# Allegro board FPGA.brd
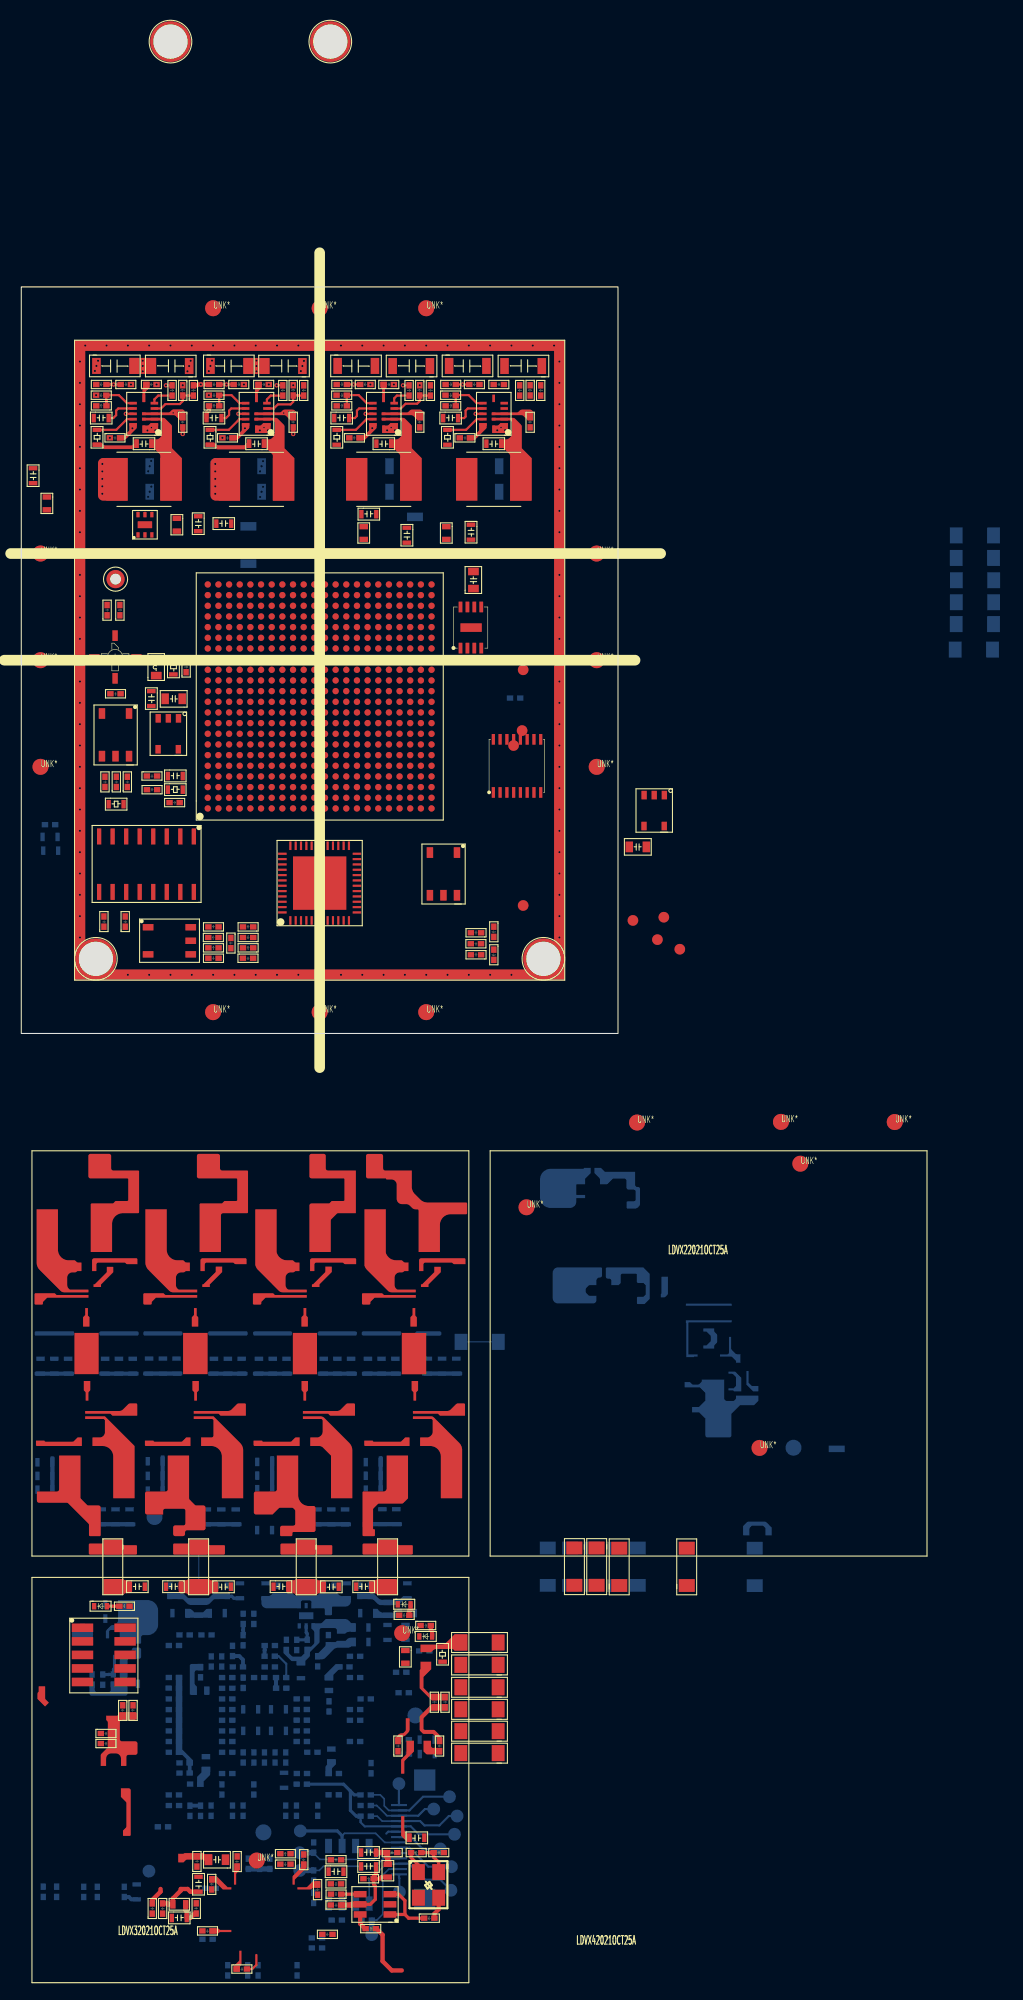
[diagram p0: board, top side]
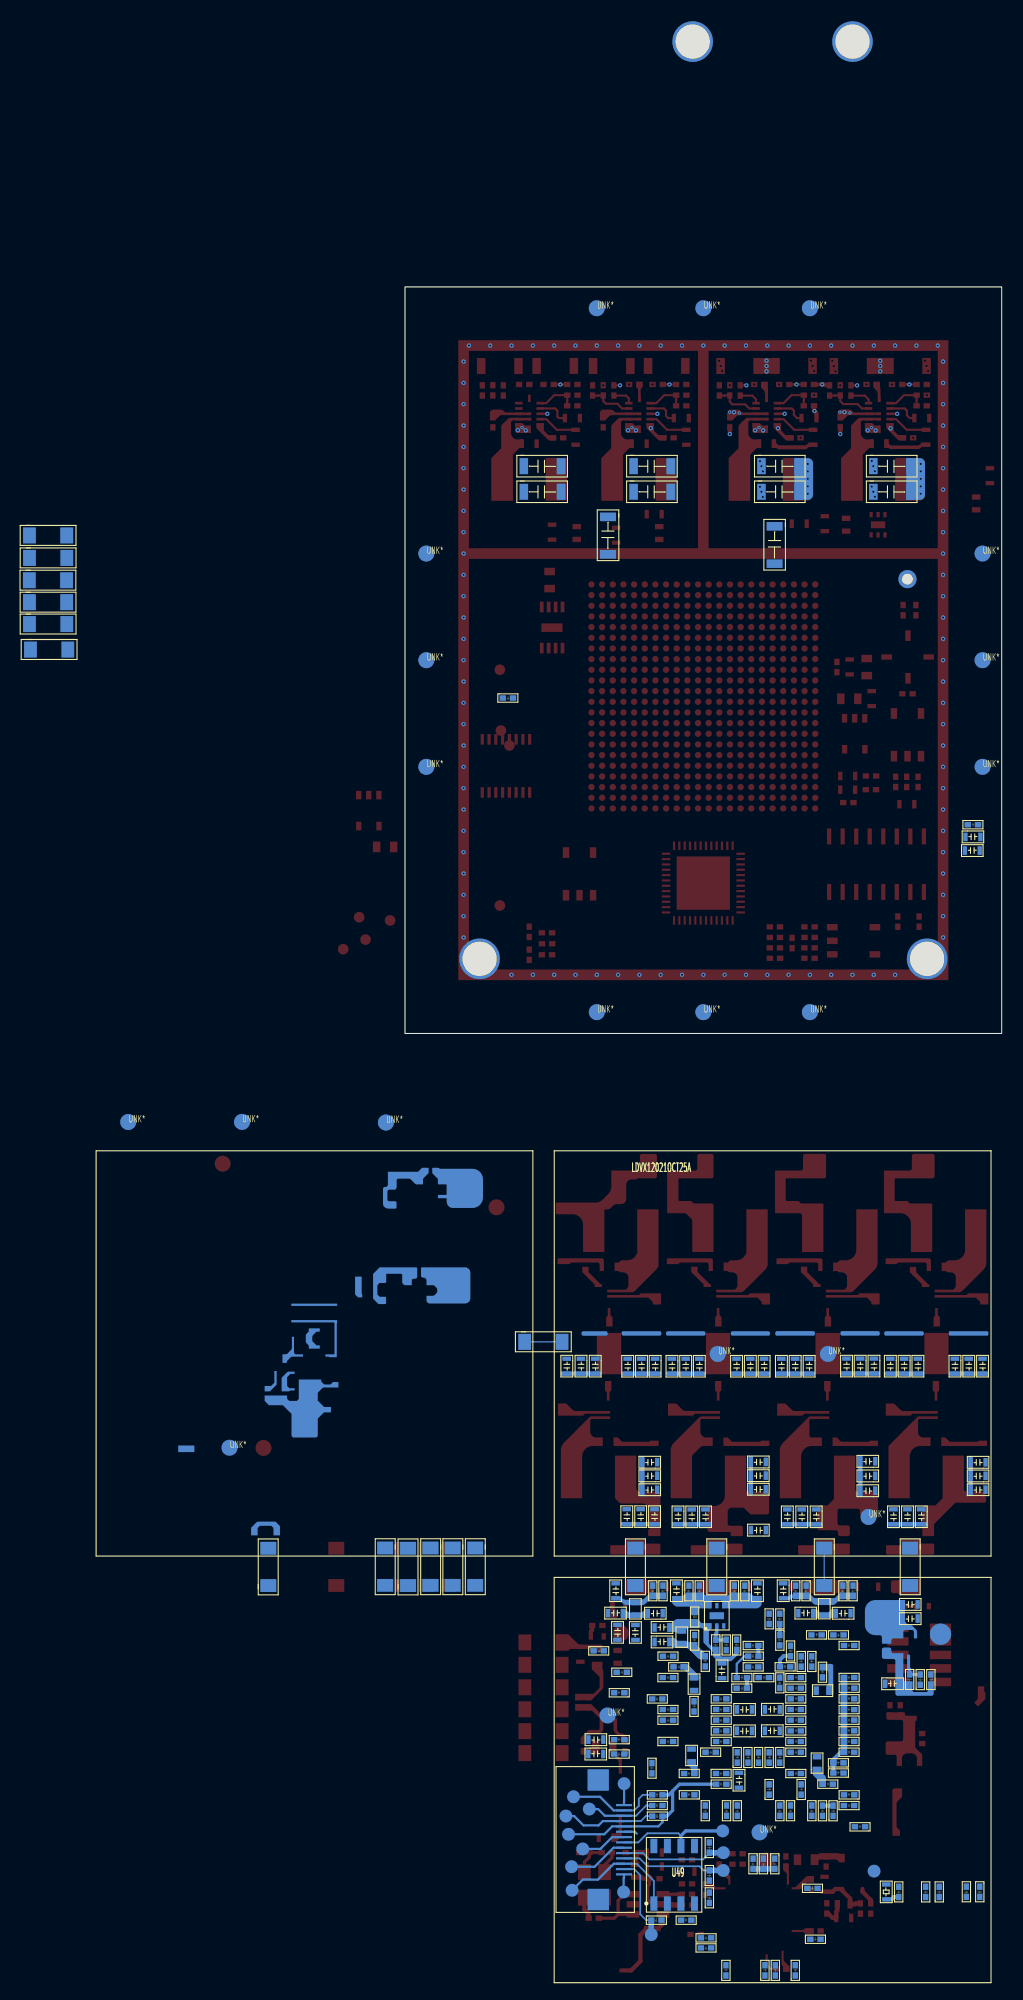
[diagram p1: board, bottom side, seen from below]

Outline 56 x 70 mm; copper layers: TOP, GND-L2, SIGNAL-L3, SIGNAL-L4, GND-L5, PWR-L6, SIGNAL-L7, SIGNAL-L8, GND-L9, BOTTOM. Coordinates in mm from the lower left corner of the outline.
Outline path: rectangle 0,0 56,70

## Design rules (mm)
constraint set DEFAULT: min track width 0.1
net group CLK2FPGA: nets CLK2FPGA N7587007
net group CLKO+: nets CLK_AD+ CLKO+
net group CLKO-: nets CLK_AD- CLKO-
net group CPU_UART3_RXD: nets CPU_UART3_RXD MCU_UART1_TXD
net group CPU_UART3_TXD: nets CPU_UART3_TXD MCU_UART1_RXD
net group CPU_UART4_TXD: nets CPU_UART4_TXD CPU_UART4_TXD_X
net group DATA0: nets DATA0 N7454523
net group FPGA_SPI2_CS: nets FPGA_SPI2_CS MCU_SPI2_NSS
net group FPGA_SPI2_MISO: nets FPGA_SPI2_MISO MCU_SPI2_MISO
net group FPGA_SPI2_MOSI: nets FPGA_SPI2_MOSI MCU_SPI2_MOSI
net group FPGA_SPI2_SCLK: nets FPGA_SPI2_SCLK MCU_SPI2_SCK
net group LED1: nets LED1 N7455499
net group LED2: nets LED2 N7455557
net group LED3: nets LED3 N7921484
net group MCU_RST_CPU: nets MCU_RST_CPU NRST_CPU
net group N7578107: nets N7578107 N7578654
net group N7581076: nets N7581076 N7581207
net group N7581083: nets N7581083 N7581229
net group N7586496: nets N7586496 N7586806
net group N7587454: nets N7587454 N7587591
net group N8196950: nets N8196950 N8196956
net group N8197004: nets N8197004 N8197018
net group N8197074: nets N8197074 N8197078
net group N8197176: nets N8197176 N8197194
net group N8197218: nets N8197218 N8197222
net group N8197320: nets N8197320 N8197338
net group N8197362: nets N8197362 N8197366
net group N8197464: nets N8197464 N8197482
net group RSSI: nets N7580738 RSSI
net group ADC_DATA_BUS: nets AD3
net group AIN+: nets AIN+ AIN- N7581273 N7581277 N7581373 N7581387 VCOM
net group AUDIO_OUT: nets AUDIO_OUT N7424382 N7424390 N7424630 N7424654 N7424662
net group CPU_RST_MCU: nets CPU_RST_MCU FPGA_RST_MCU NRST_MCU
net group CPU_UART2_RXD: nets CPU_UART2_RXD ECSPI3_SCLK FPGA_SPI_SCLK
net group CPU_UART2_TXD: nets CPU_UART2_TXD ECSPI3_CS0 FPGA_SPI_CS
net group CPU_UART4_RXD: nets CPU_UART4_RXD CPU_UART4_RXD_X FPGA_UART_TXD
net group ECSPI3_MISO: nets ECSPI3_MISO FPGA_SPI_MISO N7356015
net group ECSPI3_MOSI: nets ECSPI3_MOSI FPGA_SPI_MOSI N7355971
net group ENC+: nets ENC+ ENC- N7587990 N7588005 N7588017
net group MG_I2S: nets I2S_BCK I2S_DATA I2S_LRCK I2S_SCK
net group N7578935: nets N7578935 N7579108 N7579398
net group N7579488: nets N7579488 N7579492 N7579615 N7579629

## Placement (name value [footprint] x y rotation side)
A1  -  [ERA-2SM]  8.8 35.3 270 top
C61  22uF/50V  [C1206]  7.2 61.8 0 top
C62  22uF/50V  [C1206]  15.6 63.37 180 top
C63  22uF/50V  [C1206]  17.9 61.8 0 top
C64  22uF/50V  [C1206]  26.23 63.37 180 top
C65  22uF/50V  [C1206]  29.84 61.8 0 top
C66  22uF/50V  [C1206]  38.2 63.37 180 top
C67  22uF/50V  [C1206]  40.3 61.8 0 top
C68  22uF/50V  [C1206]  48.7 63.37 180 top
C69  15nF  [C0402]  12.7 61.1 180 top
C70  15nF  [C0402]  23.24 61.1 180 top
C71  15nF  [C0402]  34.98 61.1 180 top
C72  15nF  [C0402]  45.3 61.1 180 top
C75  100pF/25V  [C0603]  6.7 57.3 0 top
C76  150pF/25V  [C0603]  17.28 57.3 0 top
C77  100pF/25V  [C0603]  29.27 57.3 0 top
C78  100pF/25V  [C0603]  39.49 57.3 0 top
C79  0.1uF  [C0402]  14.9 57.8 270 top
C80  0.1uF  [C0402]  25.27 57.8 270 top
C81  0.1uF  [C0402]  37.14 57.8 270 top
C82  0.1uF  [C0402]  47.51 57.8 270 top
C84  1uF/10V  [C0402]  8.3 55.6 0 top
C85  1uF/10V  [C0402]  18.86 55.6 0 top
C86  1uF/10V  [C0402]  30.77 55.6 0 top
C87  1uF/10V  [C0402]  41.14 55.6 0 top
C88  0.1uF  [C0603]  12.31 55.7 180 top
C89  0.1uF  [C0603]  22.88 55.7 180 top
C90  0.1uF  [C0603]  34.82 55.7 180 top
C91  0.1uF  [C0603]  45.15 55.7 180 top
C103  22uF/25V  [C1206]  11.9 52.4 180 bottom
C104  22uF/25V  [C1206]  22.4 50 180 bottom
C105  22uF/25V  [C1206]  34.4 50 180 bottom
C106  22uF/25V  [C1206]  44.7 52.4 180 bottom
C115  22uF/25V  [C1206]  11.9 50 180 bottom
C116  0.1uF/25V  [C0603]  18.2 47.4 0 top
C117  22uF/25V  [C1206]  22.1 47.4 270 bottom
C118  0.1uF/25V  [C0603]  31.81 48.29 0 top
C119  22uF/25V  [C1206]  37.73 48.29 270 bottom
C120  22uF/25V  [C1206]  44.7 50 180 bottom
C124  22uF/25V  [C1206]  22.4 52.4 180 bottom
C125  22uF/25V  [C1206]  34.4 52.4 180 bottom
C126  0.1uF/25V  [C0603]  0.7 53.1 270 top
C127  0.1uF/25V  [C0603]  16.2 48.6 270 top
C128  0.1uF/25V  [C0603]  35.78 47.52 270 top
C129  0.1uF/25V  [C0603]  41.8 47.8 270 top
C130  0.1uF  [C0603]  10.09 -52.28 0 top
C131  0.1uF  [C0603]  13.48 -52.28 0 top
C132  0.1uF  [C0603]  19.77 -51.48 180 top
C133  0.1uF  [C0603]  23.57 -52.28 0 top
C134  0.1uF  [C0603]  29.9 -51.48 180 top
C135  0.1uF  [C0603]  31.33 -52.28 0 top
C140  10uF  [C0805]  43.05 41.51 90 top
C143  0.1uF  [C0402]  8.3 39.2 90 top
C144  0.1uF  [C0402]  40.01 -63.19 90 top
C145  0.1uF  [C0402]  9.27 -62.98 270 top
C146  0.1uF  [C0402]  10.24 -62.98 270 top
C147  0.1uF  [C0402]  7.45 -65.89 0 top
C148  10uF  [C0805]  15.3 32 180 top
C149  0.1uF  [C0402]  8.35 31.6 0 top
C150  0.1uF  [C0402]  7.45 -66.83 0 top
C151  0.1uF  [C0402]  35.6 -67.3 90 top
C152  10uF  [C0805]  56.86 16.87 0 top
C164  0.01uF  [C0402]  11.77 23.89 0 top
C165  10uF  [C0603]  13.65 23.74 0 top
C171  0.01uF  [C0402]  8.1 23.1 90 top
C172  0.01uF  [C0402]  9.16 23.1 90 top
C173  0.01uF  [C0402]  10.2 23.1 90 top
C175  0.01uF  [C0402]  12.76 23.11 180 top
C184  0.1uF  [C0402]  13.9 21.4 0 top
C186  10uF  [C0603]  37.92 -75.01 180 top
C191  10uF  [C0603]  31.79 -77.2 0 top
C192  0.1uF  [C0402]  35.3 -76.55 180 top
C193  0.1uF  [C0402]  39.67 -76.55 180 top
C198  0.1uF  [C0402]  26.26 -76.97 270 top
C199  0.1uF  [C0402]  29.05 -77.72 0 top
C200  10uF  [C0805]  19.36 -76.85 180 top
C201  0.1uF  [C0402]  16.73 -78.12 90 top
C202  0.1uF  [C0402]  20.01 -77.15 270 top
C204  10uF  [C0603]  31.79 -78.5 0 top
C205  10uF  [C0603]  28.74 -79 0 top
C206  0.1uF  [C0402]  32.1 -79.5 0 top
C207  10uF  [C0603]  16.23 -78.97 270 top
C208  0.1uF  [C0402]  18.11 -80.27 90 top
C209  0.1uF  [C0402]  28.05 -80.76 90 top
C210  0.1uF  [C0402]  29.04 -81.97 0 top
C211  0.01uF  [C0402]  12.54 -82.53 90 top
C212  0.1uF  [C0402]  13.51 -82.53 90 top
C213  0.1uF  [C0402]  16.17 -81.55 270 top
C214  10uF  [C0603]  14.03 -83.33 0 top
C215  0.01uF  [C0402]  8 10 90 top
C216  0.01uF  [C0402]  10 10 90 top
C217  0.1uF  [C0402]  16.98 -84.39 0 top
C218  0.1uF  [C0402]  29.22 -84.22 180 top
C219  1uF  [C0402]  18.52 10.24 180 top
C220  8.2pF  [C0402]  21.77 10.24 180 top
C221  0.1uF  [C0402]  42.17 8.16 0 top
C222  8.2pF  [C0402]  19.42 8.97 270 top
C242  2.2uF  [C0402]  20.21 -87.97 0 top
C243  1uF  [C0402]  18.52 7.3 180 top
C244  8.2pF  [C0402]  20.78 6.8 0 top
C364  0.1uF/50V  [C0603]  14.97 -30.39 270 bottom
C365  0.1uF/50V  [C0603]  13.69 -30.39 270 bottom
C366  0.1uF/50V  [C0603]  12.39 -30.39 270 bottom
C367  0.1uF/50V  [C0603]  41.22 -30.39 270 bottom
C368  0.1uF/50V  [C0603]  39.89 -30.39 270 bottom
C369  0.1uF/50V  [C0603]  38.55 -30.39 270 bottom
C370  0.1uF/25V  [C0603]  10.86 -30.39 270 bottom
C371  0.1uF/25V  [C0603]  9.56 -30.39 270 bottom
C372  0.1uF/25V  [C0603]  8.27 -30.39 270 bottom
C373  0.1uF/25V  [C0603]  4.79 -30.39 270 bottom
C374  0.1uF/25V  [C0603]  3.49 -30.39 270 bottom
C375  0.1uF/25V  [C0603]  2.2 -30.39 270 bottom
C376  0.1uF/50V  [C0603]  35.51 -30.4 270 bottom
C377  0.1uF/50V  [C0603]  34.21 -30.4 270 bottom
C378  0.1uF/50V  [C0603]  32.93 -30.4 270 bottom
C379  0.1uF/50V  [C0603]  31.35 -30.4 270 bottom
C380  0.1uF/50V  [C0603]  30.06 -30.4 270 bottom
C381  0.1uF/50V  [C0603]  28.78 -30.4 270 bottom
C382  0.1uF/50V  [C0603]  25.29 -30.4 270 bottom
C383  0.1uF/50V  [C0603]  24 -30.4 270 bottom
C384  0.1uF/50V  [C0603]  22.7 -30.4 270 bottom
C385  0.1uF/50V  [C0603]  21.08 -30.4 270 bottom
C386  0.1uF/50V  [C0603]  19.79 -30.4 270 bottom
C387  0.1uF/50V  [C0603]  18.48 -30.4 270 bottom
C413  0.1uF/25V  [C0603]  11.77 -39.71 0 bottom
C414  0.1uF/25V  [C0603]  22.04 -39.77 0 bottom
C415  0.1uF/25V  [C0603]  32.23 -39.8 0 bottom
C416  0.1uF/25V  [C0603]  1.42 -39.8 0 bottom
C420  0.1uF/25V  [C0603]  22.04 -41.05 0 bottom
C421  0.1uF/25V  [C0603]  32.23 -41.07 0 bottom
C422  0.1uF/25V  [C0603]  11.77 -41.08 0 bottom
C423  0.1uF/25V  [C0603]  1.42 -41.08 0 bottom
C426  0.1uF/25V  [C0603]  22.04 -42.33 0 bottom
C427  0.1uF/25V  [C0603]  1.42 -42.37 0 bottom
C428  0.1uF/25V  [C0603]  32.23 -42.37 0 bottom
C429  0.1uF/25V  [C0603]  11.77 -42.47 0 bottom
C432  0.1uF/25V  [C0603]  35.59 -44.5 270 bottom
C433  0.1uF/25V  [C0603]  34.29 -44.5 270 bottom
C434  0.1uF/25V  [C0603]  32.98 -44.5 270 bottom
C435  0.1uF/25V  [C0603]  10.56 -44.52 270 bottom
C436  0.1uF/25V  [C0603]  9.24 -44.52 270 bottom
C437  0.1uF/25V  [C0603]  7.95 -44.52 270 bottom
C438  0.1uF/25V  [C0603]  30.78 -44.52 270 bottom
C439  0.1uF/25V  [C0603]  29.49 -44.52 270 bottom
C440  0.1uF/25V  [C0603]  28.2 -44.52 270 bottom
C441  0.1uF/25V  [C0603]  20.52 -44.52 270 bottom
C442  0.1uF/25V  [C0603]  19.17 -44.52 270 bottom
C443  0.1uF/25V  [C0603]  17.82 -44.52 270 bottom
C445  0.1uF/25V  [C0603]  22.03 -46.16 0 bottom
C446  10uF  [C0603]  36.63 -51.45 270 bottom
C447  0.1uF  [C0402]  33 -51.76 270 bottom
C448  0.1uF  [C0402]  32.03 -51.76 270 bottom
C449  10uF  [C0603]  30.93 -51.45 270 bottom
C450  0.1uF  [C0402]  29.61 -51.76 270 bottom
C451  0.1uF  [C0402]  28.63 -51.76 270 bottom
C452  0.1uF  [C0402]  25.34 -51.76 270 bottom
C453  0.1uF  [C0402]  24.36 -51.76 270 bottom
C454  10uF  [C0603]  23.33 -51.45 270 bottom
C455  10uF  [C0603]  20.91 -51.45 270 bottom
C456  0.1uF  [C0402]  19.58 -51.76 270 bottom
C457  0.1uF  [C0402]  18.61 -51.76 270 bottom
C458  0.1uF  [C0402]  15.15 -51.76 270 bottom
C459  0.1uF  [C0402]  14.2 -51.76 270 bottom
C461  10uF  [C0603]  7.78 -53.12 0 bottom
C462  10uF  [C0603]  37.04 -54.75 180 bottom
C463  10uF  [C0603]  31.71 -53.95 0 bottom
C464  10uF  [C0603]  19.19 -54.75 180 bottom
C465  10uF  [C0603]  14.08 -53.95 0 bottom
C466  10uF  [C0603]  7.78 -54.46 0 bottom
C467  10uF  [C0603]  32.68 -56.1 180 bottom
C468  10uF  [C0603]  36.46 -55.35 270 bottom
C469  10uF  [C0603]  33.97 -56.96 90 bottom
C470  0.1uF  [C0402]  16.89 -56.14 0 bottom
C471  0.1uF  [C0402]  15.81 -56.64 180 bottom
C473  0.1uF  [C0402]  29.07 -56.4 270 bottom
C474  10uF  [C0603]  32.68 -57.45 180 bottom
C478  0.1uF  [C0402]  13.83 -57.14 0 bottom
C480  0.1uF  [C0402]  38.31 -58.14 180 bottom
C481  0.1uF  [C0402]  31.81 -58.64 180 bottom
C482  0.1uF  [C0402]  28.07 -58.38 270 bottom
C483  0.1uF  [C0402]  19.06 -58.39 270 bottom
C484  0.1uF  [C0402]  18.07 -58.39 270 bottom
C485  0.1uF  [C0402]  30.81 -59.64 180 bottom
C486  0.1uF  [C0402]  23.81 -59.64 180 bottom
C488  10uF  [C0603]  11.8 32.2 270 top
C489  10uF  [C0603]  25.84 -60.55 90 bottom
C490  0.1uF  [C0402]  16.57 -60.38 90 bottom
C491  0.1uF  [C0402]  35.16 -59.64 0 bottom
C498  0.1uF  [C0402]  14.81 -60.64 180 bottom
C499  0.1uF  [C0402]  22.81 -60.64 180 bottom
C500  0.1uF  [C0402]  31.81 -60.64 180 bottom
C501  0.1uF  [C0402]  18.83 -60.14 0 bottom
C502  0.1uF  [C0402]  21.07 -60.39 270 bottom
C503  10uF  [C0603]  11.04 -61.38 180 bottom
C505  0.1uF  [C0402]  13.82 -61.13 0 bottom
C506  0.1uF  [C0402]  18.83 -61.14 0 bottom
C507  0.1uF  [C0402]  46.84 31.2 180 bottom
C508  0.1uF  [C0402]  35.4 -61.56 0 bottom
C509  0.1uF  [C0402]  26.81 -62.64 180 bottom
C510  0.1uF  [C0402]  13.83 -62.14 0 bottom
C511  0.1uF  [C0402]  18.83 -62.14 0 bottom
C512  0.1uF  [C0402]  32.81 -62.64 180 bottom
C514  0.1uF  [C0402]  28.63 -63.58 90 bottom
C516  10uF  [C0603]  23.33 -62.97 0 bottom
C517  10uF  [C0603]  22.33 -63.77 180 bottom
C518  0.1uF  [C0402]  26.81 -63.64 180 bottom
C519  0.1uF  [C0402]  31.81 -63.64 180 bottom
C520  0.1uF  [C0402]  18.83 -63.14 0 bottom
C521  0.1uF  [C0402]  13.83 -63.14 0 bottom
C522  0.1uF  [C0402]  26.81 -64.64 180 bottom
C523  0.1uF  [C0402]  13.84 -64.14 0 bottom
C524  0.1uF  [C0402]  31.81 -64.64 180 bottom
C526  0.1uF  [C0402]  18.83 -64.14 0 bottom
C529  0.1uF  [C0402]  26.81 -65.64 180 bottom
C530  10uF  [C0603]  23.33 -64.99 0 bottom
C531  10uF  [C0603]  22.33 -65.79 180 bottom
C533  0.1uF  [C0402]  13.84 -65.14 0 bottom
C534  0.1uF  [C0402]  18.83 -65.14 0 bottom
C540  10uF  [C0603]  37.29 -65.81 0 bottom
C541  0.1uF  [C0402]  35.4 -65.96 0 bottom
C542  0.1uF  [C0402]  26.81 -66.63 180 bottom
C543  0.1uF  [C0402]  18.83 -66.13 0 bottom
C544  0.1uF  [C0402]  31.81 -66.64 180 bottom
C545  0.1uF  [C0402]  13.84 -66.14 0 bottom
C548  0.1uF  [C0402]  27.81 -67.64 180 bottom
C549  0.1uF  [C0402]  13.84 -67.14 0 bottom
C550  0.1uF  [C0402]  18.83 -67.14 0 bottom
C551  10uF  [C0603]  38.9 -67.96 180 bottom
C552  0.1uF  [C0402]  36.39 -67.81 180 bottom
C554  0.1uF  [C0402]  24.57 -68.37 90 bottom
C555  0.1uF  [C0402]  23.57 -68.37 90 bottom
C556  0.1uF  [C0402]  22.57 -68.37 90 bottom
C557  0.1uF  [C0402]  21.57 -68.37 90 bottom
C558  0.1uF  [C0402]  20.57 -68.37 90 bottom
C559  0.1uF  [C0402]  14.83 -68.13 0 bottom
C561  0.1uF  [C0402]  33.07 -68.4 270 bottom
C562  0.1uF  [C0402]  14.83 -69.09 0 bottom
C563  0.1uF  [C0402]  29.82 -69.63 180 bottom
C564  0.1uF  [C0402]  26.82 -69.63 180 bottom
C565  0.1uF  [C0402]  18.83 -69.14 0 bottom
C575  10uF  [C0603]  25.06 -69.22 270 bottom
C577  0.1uF  [C0402]  15.83 -70.13 0 bottom
C578  0.1uF  [C0402]  25.83 -70.14 0 bottom
C579  0.1uF  [C0402]  18.57 -71.37 90 bottom
C580  0.1uF  [C0402]  28.83 -71.13 0 bottom
C581  0.1uF  [C0402]  13.83 -71.14 0 bottom
C582  0.1uF  [C0402]  14.82 -72.64 180 bottom
C583  0.1uF  [C0402]  28.07 -72.38 270 bottom
C584  0.1uF  [C0402]  26.07 -72.38 270 bottom
C585  0.1uF  [C0402]  25.07 -72.38 270 bottom
C586  0.1uF  [C0402]  21.07 -72.38 270 bottom
C587  0.1uF  [C0402]  20.07 -72.38 270 bottom
C588  0.1uF  [C0402]  18.07 -72.38 270 bottom
C589  0.1uF  [C0402]  16.57 -73.37 90 bottom
C593  0.1uF  [C0402]  12.8 -74.13 0 bottom
C597  0.1uF  [C0402]  23.59 -77.36 270 bottom
C598  0.1uF  [C0402]  22.61 -77.36 270 bottom
C599  0.1uF  [C0402]  21.54 -77.36 270 bottom
C602  0.1uF  [C0402]  17.27 -79.9 0 bottom
C604  0.1uF  [C0402]  9.41 -80.97 90 bottom
C605  33pF  [C0402]  3.56 -79.99 270 bottom
C608  0.1uF  [C0402]  27.18 -81.53 90 bottom
C612  0.1uF  [C0402]  29.12 -82.89 0 bottom
C613  0.1uF  [C0402]  28.24 -85.05 180 bottom
C614  0.1uF  [C0402]  16.99 -84.68 0 bottom
C615  10uF  [C0603]  3.56 16.74 180 bottom
C616  0.1uF  [C0402]  28.24 -85.99 180 bottom
C617  2.2uF  [C0402]  3.19 19.33 180 bottom
C637  0.1uF  [C0402]  25.63 -88.33 90 bottom
C638  0.1uF  [C0402]  21.97 -88.33 90 bottom
C639  0.1uF  [C0402]  20.99 -88.33 90 bottom
C640  0.1uF  [C0402]  19.12 -88.33 90 bottom
C641  10uF  [C0603]  3.5 18.03 180 bottom
D11  LED  [LED0402]  35.43 -53.77 0 top
D12  LED  [LED0402]  6.93 -53.95 0 top
D13  LED  [LED0402]  37.45 -56.78 0 top
J4  HEADER-2X5P  [HEADER-2X5P-1D27-SMD]  9.74 -55.72 270 top
J9  FPC-14P-0.5  [FPC-14P-0D5]  38.92 -75.6 270 bottom
L7  4.7uH/2A  [CD54-IND-2P]  14.05 54.5 180 top
L8  4.7uH/2A  [CD54-IND-2P]  24.61 54.5 180 top
L9  2.2uH/2A  [CD54-IND-2P]  36.55 54.5 180 top
L10  2.2uH/2A  [CD54-IND-2P]  46.88 54.5 180 top
L13  BLM18SP102SN1D  [FB0603]  2 50.5 270 top
L14  BLM18SP102SN1D  [FB0603]  14.2 48.5 270 top
L15  BLM18SP102SN1D  [FB0603]  31.74 47.72 270 top
L16  BLM18SP102SN1D  [FB0603]  39.48 47.72 270 top
L18  BEAD  [FB0603]  35.64 -57.65 270 top
L19  1uH/100mA  [L0805]  13.29 33.36 90 top
L21  BEAD  [FB0603]  34 -77.7 270 top
L22  BEAD  [FB0603]  14.03 -82.05 0 top
L35  BEAD  [FB0603]  33.98 -54.75 90 bottom
L36  BEAD  [FB0603]  17.05 -53.14 270 bottom
L37  BEAD  [FB0603]  30.42 -55.8 270 bottom
L38  BEAD  [FB0603]  29.27 -60.2 270 bottom
L39  BEAD  [FB0603]  16.01 -61.22 0 bottom
L40  BEAD  [FB0603]  28.7 -68.5 90 bottom
L41  BEAD  [FB0603]  16.93 -69.21 90 bottom
NOREF  -  []  18.75 59.68 0 top
NOREF#2  -  []  18.69 6.86 0 top
NOREF#3  -  []  0.7 53.91 0 top
NOREF#4  -  []  46.24 58.71 0 top
NOREF#5  -  []  36.13 45.09 90 top
NOREF#6  -  []  17 -42.92 0 top
NOREF#7  -  []  12.31 54.1 0 top
NOREF#8  -  []  20.57 8.82 90 top
NOREF#9  -  []  27.17 -72.85 90 top
NOREF#10  -  []  8.27 -31.2 0 top
NOREF#11  -  []  8.11 -60.55 0 top
NOREF#12  -  []  15.5 58.71 90 top
NOREF#13  -  []  21.27 54.89 0 top
NOREF#14  -  []  31.98 -63.78 0 top
NOREF#15  -  []  12.73 -83.62 0 top
NOREF#16  -  []  32.9 -58.14 90 top
NOREF#17  -  []  39.35 59.46 0 top
NOREF#18  -  []  39.23 -64.28 0 top
NOREF#19  -  []  23.98 -59.78 0 top
NOREF#20  -  []  26.78 -71.77 90 top
NOREF#21  -  []  2.68 -31.99 0 top
NOREF#22  -  []  23.95 -72.47 90 top
NOREF#23  -  []  18.98 -88.78 90 top
NOREF#24  -  []  18.98 -32 90 top
NOREF#25  -  []  40.41 -31.99 90 top
NOREF#26  -  []  21.07 59.68 0 top
NOREF#27  -  []  31.2 54 0 top
NOREF#28  -  []  13.87 35.98 0 top
NOREF#29  -  []  7.14 -44.52 90 top
NOREF#30  -  []  36.88 -57.5 90 top
NOREF#31  -  []  17.8 48.6 90 top
NOREF#32  -  []  12.93 21.69 0 top
NOREF#33  -  []  40.17 -78.2 90 top
NOREF#34  -  []  43.6 8.02 90 top
NOREF#35  -  []  33.41 48.29 90 top
NOREF#36  -  []  11.76 -83.62 0 top
NOREF#37  -  []  11.58 -31.99 0 top
NOREF#38  -  []  17.36 -56.92 90 top
NOREF#39  -  []  37.74 -31.99 0 top
NOREF#40  -  []  25.13 -58.91 0 top
NOREF#41  -  []  23.82 6.86 90 top
NOREF#42  -  []  31.38 -74.56 0 top
NOREF#43  -  []  37 56.37 90 top
NOREF#44  -  []  45.41 31.06 90 top
NOREF#45  -  []  42.57 55.46 90 top
NOREF#46  -  []  8.58 7.95 0 top
NOREF#47  -  []  29.39 -85.64 0 top
NOREF#48  -  []  37.74 58.71 90 top
NOREF#49  -  []  10.3 46.8 90 top
NOREF#50  -  []  36.12 -77.19 0 top
NOREF#51  -  []  16.78 -67 0 top
NOREF#52  -  []  24.5 -51.59 90 top
NOREF#53  -  []  10.05 -31.99 0 top
NOREF#54  -  []  27.85 58.71 90 top
NOREF#55  -  []  19.2 52.4 90 top
NOREF#56  -  []  15.3 30 90 top
NOREF#57  -  []  20.29 -72.85 0 top
NOREF#58  -  []  22.33 -62.96 0 top
NOREF#59  -  []  26.17 -72.85 90 top
NOREF#60  -  []  21.89 -30.4 90 top
NOREF#61  -  []  27.65 -57.83 90 top
NOREF#62  -  []  19.17 -45.33 0 top
NOREF#63  -  []  11.78 -62 0 top
NOREF#64  -  []  44.59 7.4 0 top
NOREF#65  -  []  7.57 26 0 top
NOREF#66  -  []  1.39 -31.99 90 top
NOREF#67  -  []  29.57 -77.91 90 top
NOREF#68  -  []  25.84 -62.15 0 top
NOREF#69  -  []  28.41 -86.13 0 top
NOREF#70  -  []  58.86 16.87 90 top
NOREF#71  -  []  34.72 -59.5 0 top
NOREF#72  -  []  21.73 -65.8 90 top
NOREF#73  -  []  34.7 -32 0 top
NOREF#74  -  []  32.02 -55.8 90 top
NOREF#75  -  []  12.4 61.77 0 top
NOREF#76  -  []  18.65 -53.14 90 top
NOREF#77  -  []  36.56 -67.95 0 top
NOREF#78  -  []  13.39 -68.56 0 top
NOREF#79  -  []  38.9 -67.15 0 top
NOREF#80  -  []  19.36 -75.6 0 top
NOREF#81  -  []  20.26 -65.56 90 top
NOREF#82  -  []  23.98 -57.78 0 top
NOREF#83  -  []  32.93 -52.28 90 top
NOREF#84  -  []  30.63 -41.88 90 top
NOREF#85  -  []  39.74 58.71 90 top
NOREF#86  -  []  20.44 -43.14 0 top
NOREF#87  -  []  18.45 29.7 90 top
NOREF#88  -  []  9.2 22.01 90 top
NOREF#89  -  []  45.05 41.51 90 top
NOREF#90  -  []  5.24 19.19 90 top
NOREF#91  -  []  37.72 16.86 90 top
NOREF#92  -  []  17.67 -30.4 90 top
NOREF#93  -  []  37 56.37 0 top
NOREF#94  -  []  31.38 -76.18 0 top
NOREF#95  -  []  36.23 -53.15 0 top
NOREF#96  -  []  15.27 -68.56 90 top
NOREF#97  -  []  35.87 58.71 0 top
NOREF#98  -  []  40.96 57.68 0 top
NOREF#99  -  []  27.69 -77.91 0 top
NOREF#100  -  []  17.3 55.1 0 top
NOREF#101  -  []  32.17 -51.59 90 top
NOREF#102  -  []  14.35 -73.74 90 top
NOREF#103  -  []  40.96 59.68 0 top
NOREF#104  -  []  23.03 61.77 0 top
NOREF#105  -  []  3.02 -40.61 90 top
NOREF#106  -  []  40.41 -31.99 0 top
NOREF#107  -  []  18.38 -70.56 0 top
NOREF#108  -  []  15.08 -52.28 90 top
NOREF#109  -  []  0 0 90 top
NOREF#110  -  []  17.28 58.11 0 top
NOREF#111  -  []  28.68 -42.92 0 top
NOREF#112  -  []  36.7 -68.39 90 top
NOREF#113  -  []  41.72 8.02 0 top
NOREF#114  -  []  37.74 -31.99 90 top
NOREF#115  -  []  13.01 62.2 0 top
NOREF#116  -  []  14.74 26.65 90 top
NOREF#117  -  []  30.54 -30.4 90 top
NOREF#118  -  []  7.89 -62.16 0 top
NOREF#119  -  []  20.44 -41.86 0 top
NOREF#120  -  []  35.78 49.12 0 top
NOREF#121  -  []  27.05 -83.58 90 top
NOREF#122  -  []  19.19 -53.94 0 top
NOREF#123  -  []  11.37 -44.52 90 top
NOREF#124  -  []  8.58 7.95 90 top
NOREF#125  -  []  15.3 -69.87 90 top
NOREF#126  -  []  9.7 21.1 90 top
NOREF#127  -  []  19.87 -78.58 0 top
NOREF#128  -  []  28.75 -81.58 90 top
NOREF#129  -  []  30.12 -49.85 0 top
NOREF#130  -  []  31.98 -60.78 0 top
NOREF#131  -  []  29.17 -72.85 90 top
NOREF#132  -  []  8.38 22.01 0 top
NOREF#133  -  []  34.28 -56.1 90 top
NOREF#134  -  []  14.03 -81.25 0 top
NOREF#135  -  []  19.87 -78.58 90 top
NOREF#136  -  []  28.97 -49.71 0 top
NOREF#137  -  []  8.3 57.3 90 top
NOREF#138  -  []  26.78 -70.99 0 top
NOREF#139  -  []  28.39 -69.77 0 top
NOREF#140  -  []  31.33 -51.47 0 top
NOREF#141  -  []  3.36 19.19 0 top
NOREF#142  -  []  28.86 -65.78 90 top
NOREF#143  -  []  29.97 -42.92 0 top
NOREF#144  -  []  25.97 58.71 0 top
NOREF#145  -  []  2.3 53.1 90 top
NOREF#146  -  []  22.1 44.2 90 top